# KiCad board Lime_RFE.kicad_pcb (continued)
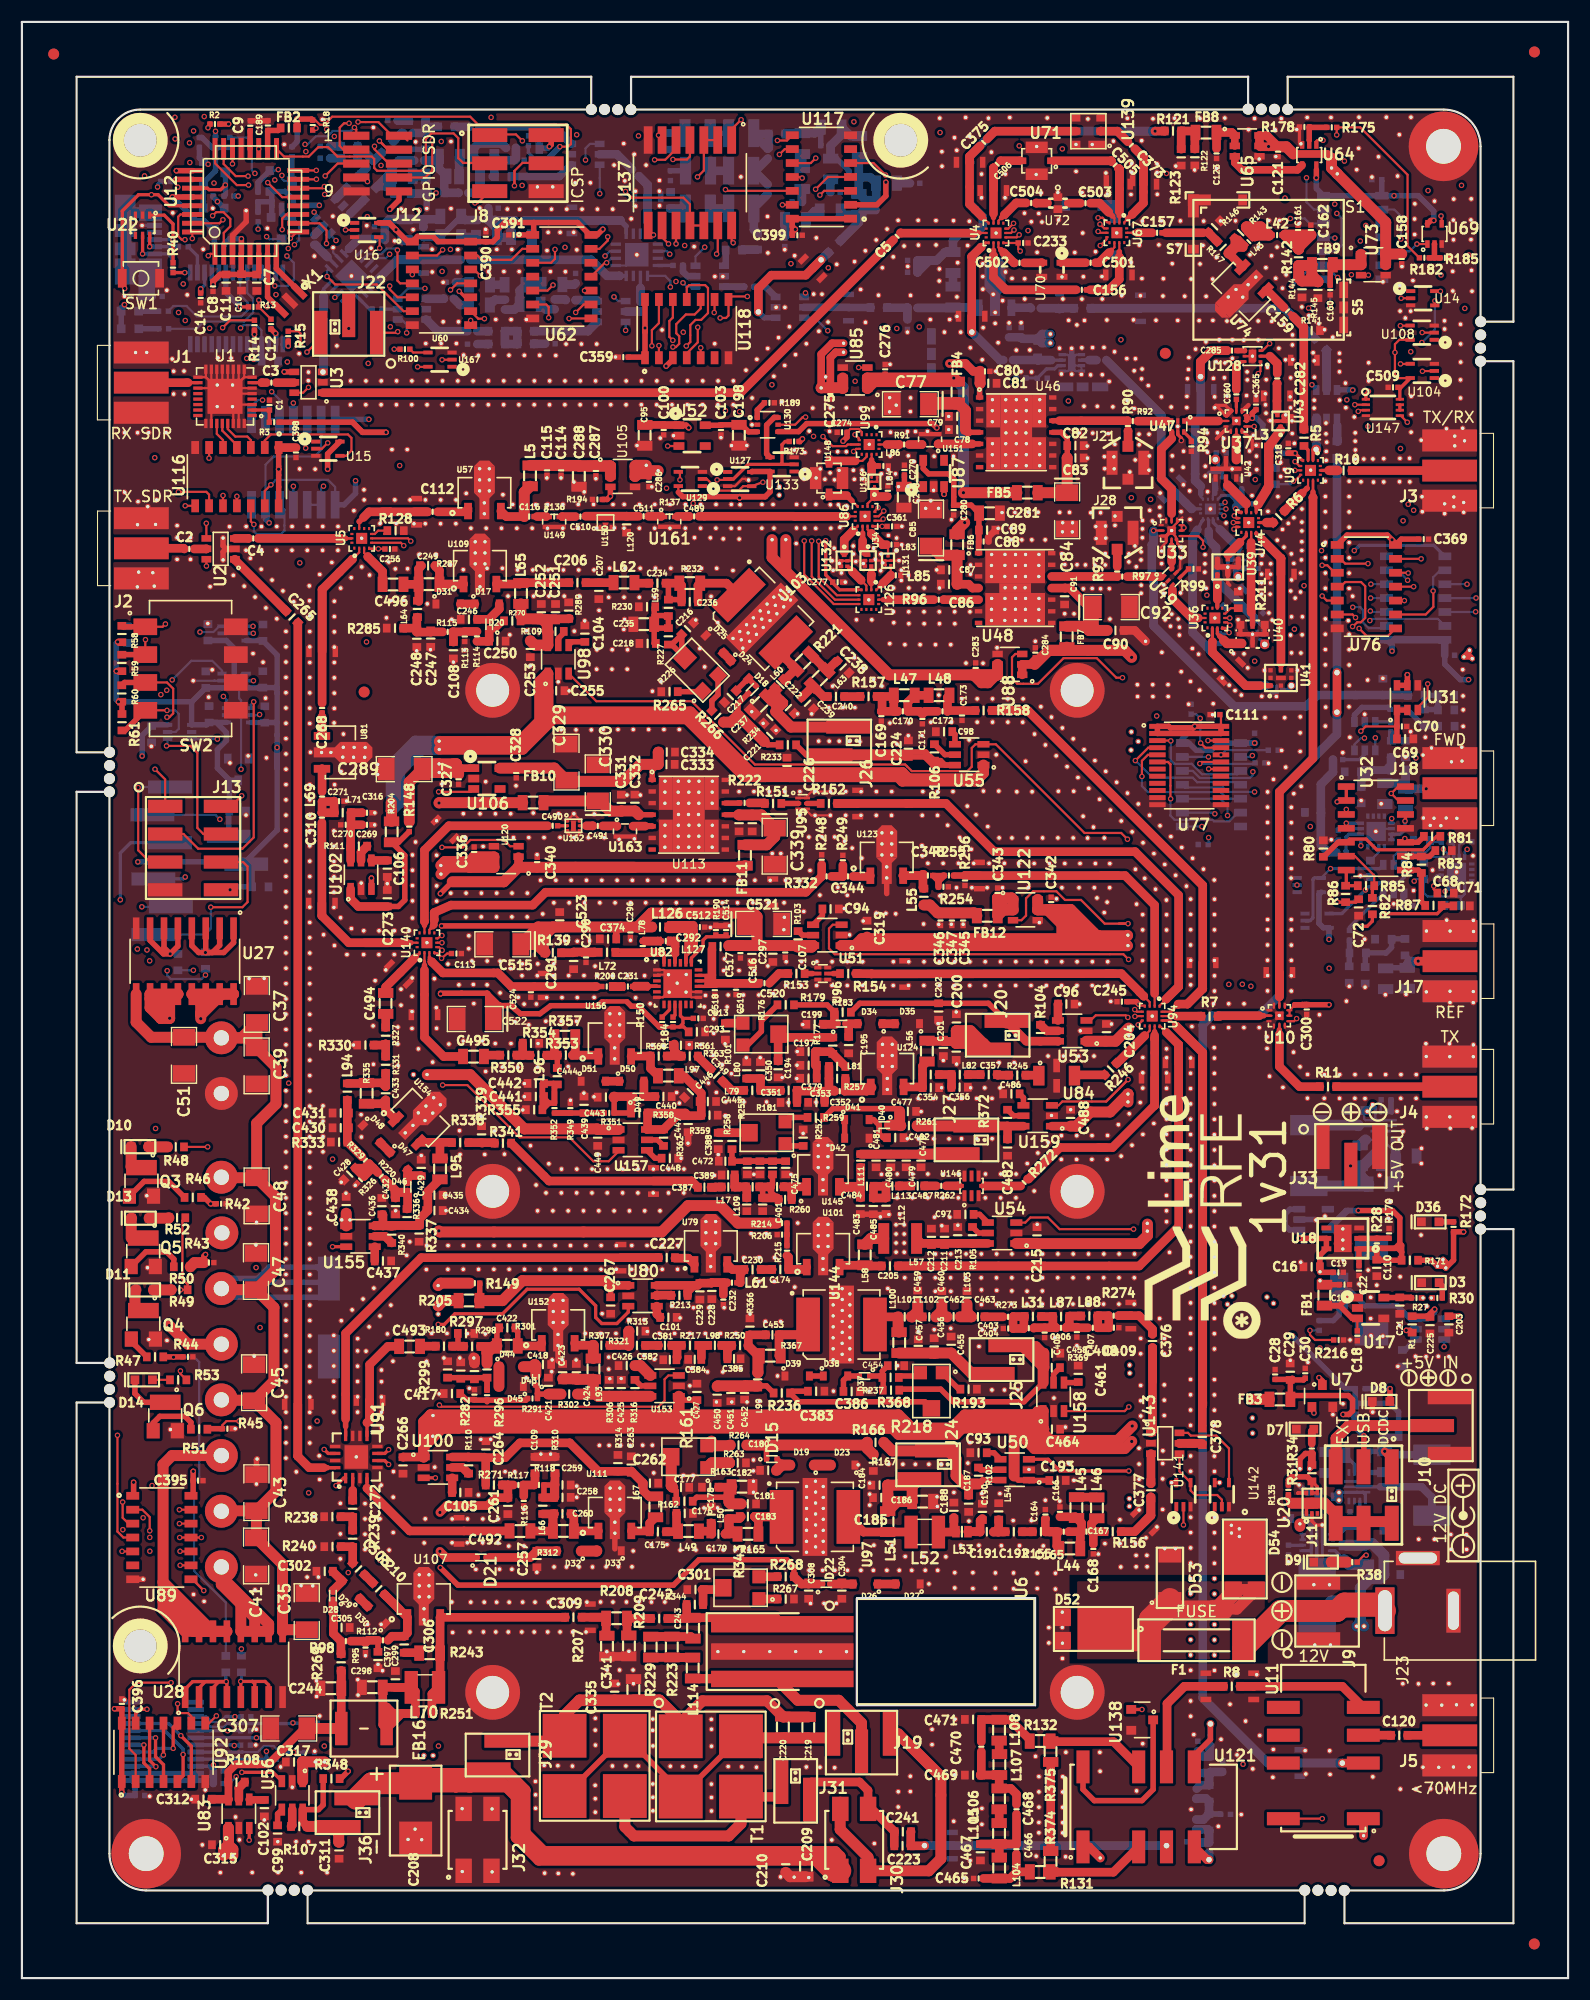
[diagram p0: board, top side]
## Nets (continued)
Net-(R1-Pad1): R1.1 U110.5
Net-(R4-Pad2): R4.2 U12.26
Net-(R5-Pad1): R5.1 U9.3
Net-(R6-Pad1): R6.1 U9.9
Net-(R7-Pad1): R7.1 U10.2
Net-(R9-Pad1): R9.1 U9.7
Net-(R10-Pad2): R10.2 U9.13
Net-(R11-Pad2): R11.2 U10.5
Net-(R12-Pad1): R12.1 R133.2 U90.5
Net-(R14-Pad2): R14.2 U12.31
Net-(R15-Pad2): R15.2 U12.30
Net-(R16-Pad1): R16.1 U13.23
Net-(R17-Pad1): R17.1 U13.22
Net-(R25-Pad1): R25.1 R26.2 U19.5
Net-(R29-Pad1): R29.1 U19.7
Net-(R32-Pad1): R32.1 R33.2 U21.5
Net-(R36-Pad1): R36.1 U21.7
Net-(R54-Pad1): R54.1 U27.1 U27.2 U27.3 U27.4
Net-(R55-Pad1): R55.1 U27.5 U27.6 U27.7
Net-(R56-Pad1): R56.1 U28.1 U28.2 U28.3 U28.4
Net-(R57-Pad1): R57.1 U28.5 U28.6 U28.7
Net-(R80-Pad2): R80.2 R81.1 U32.5
Net-(R81-Pad2): R81.2 U32.10 U32.13 U32.14
Net-(R82-Pad1): R82.1 R85.2 U32.6
Net-(R82-Pad2): R82.2 U32.1 U32.2
Net-(R83-Pad2): R83.2 R84.1 U32.9
Net-(R84-Pad2): R84.2 R87.2 U32.8
Net-(R85-Pad1): R85.1 R86.2 U32.7
Net-(R88-Pad2): R88.2 R89.2 U45.6
Net-(R90-Pad2): R90.2 R92.1 U46.12
Net-(R91-Pad1): R91.1 U151.2
Net-(R92-Pad2): R92.2 U47.3
Net-(R93-Pad2): R93.2 R97.1 U48.12
Net-(R94-Pad1): R94.1 U47.6
Net-(R96-Pad1): R96.1 U48.5
Net-(R97-Pad2): R97.2 U49.1
Net-(R99-Pad1): R99.1 U49.4
Net-(R100-Pad2): R100.2 U167.4
Net-(R101-Pad2): R101.2 R176.1
Net-(R102-Pad2): R102.2 U50.5
Net-(R103-Pad2): R103.2 U51.5
Net-(R104-Pad2): R104.2 U53.5
Net-(R105-Pad2): R105.2 U54.5
Net-(R106-Pad2): R106.2 U55.5
Net-(R107-Pad2): R107.2 U56.5
Net-(R108-Pad2): R108.2 U83.5
Net-(R109-Pad2): R109.2 U98.5
Net-(R110-Pad2): R110.2 U100.5
Net-(R111-Pad2): R111.2 U102.5
Net-(R128-Pad2): R128.2 U5.7
Net-(R130-Pad1): R130.1 U63.3
Net-(R130-Pad2): R130.2 U61.3
Net-(R134-Pad1): R134.1 U90.7
Net-(R135-Pad1): R31.2 R135.1 U20.4 U20.5
Net-(R140-Pad1): R140.1 R168.2 U77.22 U78.22
Net-(R150-Pad1): R150.1 U82.8
Net-(R151-Pad1): R151.1 U95.2
Net-(R152-Pad2): R152.2 U95.5
Net-(R153-Pad1): R153.1 U96.2
Net-(R154-Pad2): R154.2 U96.5
Net-(R161-Pad1): R161.1 R263.2
Net-(R161-Pad3): R161.3 R264.1
Net-(R170-Pad2): R28.1 R170.2 U18.2
Net-(R175-Pad2): R175.2 R178.1 U64.2
Net-(R176-Pad3): R176.3 R179.2
Net-(R180-Pad1): R180.1 R297.2 R298.2
Net-(R182-Pad2): R182.2 R185.1 U69.2
Net-(R184-Pad1): R184.1 U82.9
Net-(R189-Pad1): R189.1 U130.1
Net-(R193-Pad1): R193.1 R218.1
Net-(R206-Pad1): R206.1 R214.1 R215.2
Net-(R211-Pad2): R211.2 U36.7
Net-(R213-Pad2): R213.2 U80.5
Net-(R218-Pad3): R218.3 R237.1
Net-(R222-Pad1): R222.1 U113.12
Net-(R226-Pad1): R226.1 R265.2
Net-(R226-Pad3): R226.3 R266.1
Net-(R245-Pad1): R245.1 U84.1
Net-(R246-Pad2): R246.2 U84.3
Net-(R252-Pad2): R252.2 R253.1
Net-(R253-Pad3): R253.3 R259.2
Net-(R262-Pad1): R262.1 U146.8
Net-(R267-Pad2): R267.2 R343.1
Net-(R268-Pad1): R268.1 R343.3
Net-(R272-Pad2): R272.2 U146.4
Net-(R307-Pad1): R307.1 R313.2 R321.2
Net-(R316-Pad2): R316.2 U153.5
Net-(R327-Pad1): R327.1 R330.2 R331.2
Net-(R338-Pad1): R338.1 R339.2 R341.2
Net-(R340-Pad2): R340.2 U155.5
Net-(R350-Pad1): R350.1 R353.2 R354.2
Net-(R360-Pad1): R360.1 R361.2 R363.2
Net-(R362-Pad2): R362.2 U157.5
Net-(R369-Pad2): R369.2 U158.5
Net-(R372-Pad2): R372.2 U159.5
Net-(R374-Pad1): R374.1 R375.2
Net-(U1-Pad1): U1.1
Net-(U1-Pad4): U1.4
Net-(U1-Pad20): U1.20
Net-(U1-Pad21): U1.21
Net-(U1-Pad22): U1.22
Net-(U1-Pad23): U1.23
Net-(U1-Pad24): U1.24
Net-(U4-Pad8): U4.8
Net-(U4-Pad12): U4.12
Net-(U4-Pad14): U4.14
Net-(U5-Pad1): U5.1
Net-(U5-Pad8): U5.8
Net-(U5-Pad9): U5.9
Net-(U5-Pad11): U5.11
Net-(U5-Pad12): U5.12
Net-(U5-Pad14): U5.14
Net-(U9-Pad1): U9.1
Net-(U9-Pad8): U9.8
Net-(U9-Pad11): U9.11
Net-(U9-Pad12): U9.12
Net-(U9-Pad14): U9.14
Net-(U11-Pad8): U11.8
Net-(U11-Pad9): U11.9
Net-(U11-Pad10): U11.10
Net-(U11-Pad12): U7.1 U11.12
Net-(U12-Pad7): U12.7 X1.3
Net-(U12-Pad8): U12.8 X1.1
Net-(U12-Pad12): U12.12
Net-(U13-Pad3): U13.3
Net-(U13-Pad6): U13.6
Net-(U13-Pad8): U13.8
Net-(U13-Pad9): U13.9
Net-(U13-Pad10): U13.10
Net-(U13-Pad11): U13.11
Net-(U13-Pad12): U13.12
Net-(U13-Pad13): U13.13
Net-(U13-Pad14): U13.14
Net-(U13-Pad19): U13.19
Net-(U13-Pad24): U13.24
Net-(U13-Pad27): U13.27
Net-(U13-Pad28): U13.28
Net-(U14-Pad1): U14.1
Net-(U15-Pad1): U15.1
Net-(U16-Pad1): U16.1
Net-(U18-Pad4): U18.4
Net-(U20-Pad3): U20.3
Net-(U22-Pad3): U22.3
Net-(U22-Pad4): U22.4
Net-(U34-Pad1): U34.1 U86.2
Net-(U35-Pad2): U35.2
Net-(U35-Pad8): U35.8
Net-(U35-Pad12): U35.12
Net-(U35-Pad14): U35.14
Net-(U36-Pad1): U36.1
Net-(U36-Pad3): U36.3 U40.1
Net-(U36-Pad8): U36.8
Net-(U36-Pad9): U36.9 U39.1
Net-(U36-Pad10): U36.10
Net-(U36-Pad11): U36.11
Net-(U36-Pad12): U36.12
Net-(U36-Pad14): U36.14
Net-(U37-Pad5): U37.5 U42.1
Net-(U39-Pad6): U39.6 U44.9
Net-(U40-Pad6): U40.6 U44.10
Net-(U44-Pad2): U44.2
Net-(U44-Pad8): U44.8
Net-(U44-Pad12): U44.12
Net-(U44-Pad14): U44.14
Net-(U46-Pad7): U46.7
Net-(U48-Pad7): U48.7
Net-(U52-Pad4): U52.4
Net-(U60-Pad13): U60.13 U62.2
Net-(U62-Pad4): U62.4
Net-(U62-Pad12): U62.12
Net-(U67-Pad8): U67.8
Net-(U67-Pad11): U67.11
Net-(U67-Pad12): U67.12
Net-(U67-Pad14): U67.14
Net-(U68-Pad3): U68.3
Net-(U68-Pad4): U68.4
Net-(U68-Pad6): U68.6
Net-(U77-Pad7): U77.7
Net-(U77-Pad8): U77.8
Net-(U77-Pad9): U77.9
Net-(U77-Pad10): U77.10
Net-(U77-Pad14): U77.14
Net-(U77-Pad15): U77.15
Net-(U77-Pad16): U77.16
Net-(U77-Pad17): U77.17
Net-(U78-Pad10): U78.10
Net-(U78-Pad14): U78.14
Net-(U82-Pad3): U82.3
Net-(U82-Pad5): U82.5
Net-(U82-Pad7): U82.7
Net-(U82-Pad11): U82.11
Net-(U82-Pad12): U82.12
Net-(U82-Pad18): U82.18
Net-(U82-Pad21): U82.21
Net-(U82-Pad23): U82.23
Net-(U86-Pad8): U86.8
Net-(U86-Pad10): U86.10
Net-(U86-Pad12): U86.12
Net-(U86-Pad14): U86.14
Net-(U87-Pad4): U87.4
Net-(U89-Pad6): U89.6
Net-(U94-Pad8): U94.8
Net-(U99-Pad1): U99.1
Net-(U99-Pad2): U99.2
Net-(U99-Pad3): U99.3
Net-(U99-Pad8): U99.8
Net-(U99-Pad11): U99.11
Net-(U99-Pad12): U99.12
Net-(U99-Pad14): U99.14
Net-(U104-Pad1): U104.1
Net-(U106-Pad4): U106.4
Net-(U108-Pad1): U108.1
Net-(U113-Pad5): U113.5 U163.2
Net-(U113-Pad7): U113.7
Net-(U114-Pad1): U114.1
Net-(U117-Pad6): U117.6
Net-(U118-Pad6): U118.6
Net-(U121-Pad12): U121.12 U138.1
Net-(U125-Pad1): U125.1
Net-(U126-Pad2): U34.4 U126.2
Net-(U126-Pad3): U126.3 U132.4
Net-(U126-Pad8): U126.8
Net-(U126-Pad9): U126.9
Net-(U126-Pad10): U126.10
Net-(U126-Pad11): U126.11
Net-(U126-Pad12): U126.12
Net-(U126-Pad14): U126.14
Net-(U127-Pad1): U127.1
Net-(U129-Pad1): U129.1
Net-(U130-Pad6): U130.6 U133.4
Net-(U132-Pad1): U86.1 U132.1
Net-(U133-Pad1): U133.1
Net-(U140-Pad8): U140.8
Net-(U140-Pad11): U140.11
Net-(U140-Pad12): U140.12
Net-(U140-Pad14): U140.14
Net-(U141-Pad1): U141.1
Net-(U142-Pad1): U142.1
Net-(U146-Pad2): U146.2
Net-(U146-Pad6): U146.6
Net-(U147-Pad6): U147.6 U147.7
Net-(U148-Pad1): U86.11 U148.1
Net-(U148-Pad2): U99.9 U148.2
Net-(U151-Pad1): U46.5 U151.1
Net-(U160-Pad4): U35.11 U160.4
Net-(U167-Pad1): U167.1

Pads without a net: P4 1 2; P4#2 1 2; P4#3 1 2; P4#4 1 2; P? 1 2; P?#2 1 2

## Via types
v1: diameter 0.5, hole 0.3, T to B, 612 vias

## Routing (per net, layer and track width the routed paths; a pad name or vN(x,y) marks a point on that pad's centre or on a via; arc(x,y) is an arc through that point)
+2.5V: length 613.5
  T w0.2: v1(107.02,114.23) 107.02,114.23 ; v1(107.02,114.23) 107.02,114.23 ; v1(107.02,114.23) 107.02,114.23 ; 107.02,114.23 U77.24 109.42,115.21 C111.2 ; 107.02,114.23 U77.1 ; v1(8.45,24.58) 8.45,24.57 C396.2 ; 125.3,148.56 125.3,149.1 125.7,149.5 U108.5 ; 125.3,148.56 125.3,146.34 125.64,146 126.69,146 ; 125.3,148.56 v1(125.3,148.35) ; 125.35,130.93 v1(125.03,131.25) ; v1(129.45,153.93) 129.43,153.94 U14.5
  T w0.3: v1(118.12,164.29) 118.12,165.44 U64.5 ; C509.2 125.74,145.01 125.59,145.16 C509.2 ; C509.2 125.86,145.16 126.69,146 125.74,145.05 U147.8
  T w0.5: v1(9.1,16.97) 9.11,16.98 U92.1 U92.14 9.12,23.27 C396.2 9.12,24.58 v1(8.45,24.58) ; v1(10.19,45.24) 10.19,44.1 U89.1 ; v1(15.64,46.24) 15.63,46.23 C395.2 15.63,44.21 U89.14 ; U76.1 120.93,131.68 124.6,131.68 125.35,130.93 U76.14 125.88,131.31 C369.2 ; v1(112.49,112.71) 112.49,112.7 ; v1(118.12,164.29) 118.13,164.29 118.13,165.01 ; U69.5 128.56,160.39 v1(128.84,160.39) ; 27.89,137.7 v1(27.9,137.7) 27.9,139.09 U15.5 ; v1(23.43,137.69) 23.43,137.69 ; v1(23.43,137.69) 23.43,137.69 ; v1(23.43,137.69) 23.43,137.69 ; 23.43,137.69 U116.1 ; 23.43,137.69 U116.14 ; 34.14,159.54 33.5,160.17 U16.5 33.51,160.17 v1(34.14,159.55) ; 34.14,159.54 v1(34.14,159.55) ; 34.14,159.54 35.21,158.46 U60.1 36.1,158.94 37.51,158.94 37.98,158.46 U60.14 42.33,158.46 C390.2 42.98,158.45 43.39,158.87 43.39,159.53 44.06,160.2 46.7,160.2 ; v1(53.01,159.59) 52.5,159.07 U62.14 51.83,159.07 50.7,160.2 46.7,160.2 ; U117.14 70.3,159.86 v1(70.58,159.58) 70.31,159.31 C399.2 70.3,159.05 U117.14 ; U117.14 U117.1 ; 56.86,150.19 U118.1 56.8,147.92 C359.2 ; 56.86,150.19 v1(56.86,150.58) ; 56.86,150.19 U118.14 ; v1(34.14,159.55) 34.13,159.54 v1(34.14,159.55) ; GND_VIA#31.1 128.63,65.51 R171.1 ; GND_VIA#31.1 129.69,65.47 GND_VIA#30.1 129.94,65.32 GND_VIA#32.1 ; GND_VIA#31.1 129.79,64.96 GND_VIA#32.1 ; GND_VIA#32.1 130.64,65.52 R172.1 131.55,68.11 v1(131.56,68.1) ; GND_VIA#1631.1 132.1,121.07 GND_VIA#1630.1 132.2,120.56 GND_VIA#1629.1 ; 46.65,159.07 U62.1 ; U62.1 46.7,159.16 46.7,160.2 ; U62.1 C391.2 ; 109.42,114.23 U77.24 U77.23 U77.2 U77.1 104.66,114.23 104.8,114.08 106.88,114.08 v1(107.02,114.23) 109.42,114.23
  T w0.79: U116.1 23.44,139.66 C398.2
  SIG1 w0.2: 128.84,154.54 v1(129.45,153.93)
  SIG1 w0.5: v1(129.45,153.93) 128.84,154.54 v1(128.84,160.39) ; v1(34.14,159.55) 32.35,159.55 31.03,158.23 31.03,154.7 30.7,154.36 30.7,140.11 28.28,137.7 v1(27.9,137.7) ; v1(112.5,120.18) 112.49,120.18 v1(112.49,112.71) ; v1(56.86,150.58) 56.86,150.08 56.31,149.53 53.83,149.53 53.14,150.22 53.14,153.87 54.1,154.83 54.1,157.22 52.63,158.69 52.63,159.25 52.97,159.59 v1(53.01,159.59)
  SIG2 w0.5: v1(10.19,45.24) 11.19,46.24 v1(15.64,46.24) ; v1(125.03,121.09) 124.46,120.52 118.45,120.52 118.11,120.18 113.27,120.18 ; v1(70.58,159.58) 70.57,159.59 61.84,159.59 60.79,160.65 56.87,160.65 55.82,159.59 v1(53.01,159.59) ; 113.27,120.18 112.75,120.18 112.75,120.18 103.33,120.18 102.06,121.45 100.42,121.45 99.63,120.66 77.21,120.66 76.51,121.36 75.53,121.36 74.59,120.43 46.36,120.43 44.87,121.92 31.46,121.92 v1(31.45,121.93) ; 113.27,120.18 112.5,120.18 v1(112.5,120.18)
  PWR w0.2: 10.19,35.53 13.82,31.91 13.82,28.87 11.86,26.92 9.73,26.92 8.45,25.64 v1(8.45,24.58)
  PWR w0.5: v1(8.45,24.58) 8.45,25.64 9.73,26.92 11.86,26.92 13.82,28.87 13.82,31.91 10.19,35.53 v1(10.19,45.24) 10.19,92.53 9.8,92.93 9.8,135.07 12.42,137.69 v1(23.43,137.69) 24.33,136.79 26.99,136.79 v1(27.9,137.7) 28.41,137.19 28.41,134.18 29.71,132.88 29.71,129.12 31.45,127.38 v1(31.45,121.93) ; v1(132.02,118.49) 132.14,118.36 132.14,105.03 131.18,104.06 131.18,102.18 131.97,101.4 131.97,100.05 131.56,99.64 v1(131.56,68.1) ; v1(125.21,162.65) 125.03,162.47 125.03,148.62 v1(125.3,148.35) 125.03,148.09 v1(125.03,131.25) v1(125.03,121.09)
  B w0.5: U68.1 124.09,162.66 C392.2 ; U68.1 123.54,162.65 ; U68.1 123.53,162.65 U68.1 ; U68.1 127.43,162.65 128.84,161.24 v1(128.84,160.39) ; U68.1 125.21,162.65 v1(125.21,162.65) ; U68.1 U68.14 118.12,163.31 v1(118.12,164.29) ; v1(9.1,16.97) 9.4,16.66 C163.2 10.32,17.78 U78.1 ; U78.1 U78.24 U78.23 U78.2 U78.1 ; U75.1 109.21,112.7 108.56,112.05 107.15,112.05 106.5,112.7 U75.14 105.89,113.1 v1(107.02,114.23) ; U75.1 112.57,112.7 ; U75.1 112.49,112.7 v1(112.49,112.71) ; U119.1 125.03,121.62 v1(125.03,121.09) ; v1(56.86,150.58) 56.86,150.58 ; v1(132.02,118.49) 131.25,118.49 129.84,119.91 C362.2
  B w0.7: U119.1 U119.14 129.84,122.11 C362.2
+3V: length 607.3
  T w0.2: 116.92,138.54 116.79,138.54 ; v1(78.51,132.48) 77.64,132.48 U86.4 78.49,132.5 v1(78.51,132.48) ; v1(78.51,132.48) C361.1 ; v1(78.51,132.48) 78.51,132.48 ; v1(101.93,88.87) 102.06,88.74 102.47,88.74 ; C256.1 33.11,130.43 31.68,130.43 32.52,130.43 v1(32.52,130.43) ; 116.15,88.79 115.68,88.32 115.68,87.82 ; 59.9,135.59 U129.5 ; C274.1 75.6,141.37 76.36,141.37 76.64,141.09 76.64,140.9 ; v1(98.2,160.64) 98.62,160.64 99.04,160.22 99.25,160.22 ; v1(91.1,157.6) 90.92,157.78 C233.1 89.58,158.34 U4.4 ; v1(64.91,158.35) 64.77,158.49 U137.14 ; v1(71.51,142.45) 71.25,142.45 70.56,141.75 U130.5 ; v1(106.04,132.35) 105.88,132.19 U33.8 U33.8 ; 37.67,93.5 37.64,93.53 37.89,93.53 v1(38.3,93.06) 38.81,93.5 C113.1 ; U37.8 U37.8 ; 105.85,132.09 105.85,132.59 ; U10.8 U10.8 ; U37.9 U37.9 ; 75.44,140.9 75.44,140.9 ; U10.9 U10.9 ; 75.29,126.69 75.3,126.68 U126.4 76.3,126.68 ; U33.9 U33.9
  T w0.3: 109.54,123.16 109.79,123.16 v1(110.16,122.79) ; 116.79,138.54 v1(116.18,139.15) ; 111.28,133.78 111.07,133.78 v1(110.76,134.09) ; 78.51,132.48 v1(78.51,132.48) ; 78.51,132.48 v1(78.51,132.48) ; 78.51,132.48 v1(78.51,132.48) ; v1(73.35,131.17) 73.35,128.05 74,127.39 C277.1 73.99,127.31 74.61,126.68 76.3,126.68
  T w0.4: v1(112.27,142.35) 111.75,142.35 ; 111.75,142.35 111.75,142.6 ; 111.75,142.35 111.75,142.1
  T w0.5: v1(112.27,142.35) 112.27,142.8 C365.1 ; v1(101.93,88.87) 101.7,89.1 C245.1 ; 67.84,135.19 68.27,135.62 U133.5 66.64,137.48 U127.5 ; 67.84,135.19 65.49,135.19 ; 67.84,135.19 65.6,135.19 v1(65.49,135.08) ; 65.49,135.19 v1(65.49,135.08) ; 65.49,135.19 v1(65.49,135.08) ; 65.49,135.19 v1(65.49,135.08) ; 65.49,135.19 60.3,135.19 59.9,135.59 ; v1(74.93,140.25) 75.3,140.62 C274.1 ; 116.15,88.82 116.15,88.79 ; 116.15,88.82 116.98,88.82 ; 116.15,88.82 116.82,88.82 116.84,88.84 C300.1 117.23,88.82 116.98,88.82 ; 116.98,88.82 v1(119.28,88.82) ; v1(71.22,140.46) 70.99,140.22 R173.1 ; v1(116.18,139.15) 115.57,139.15 C318.1 116.18,139.15 v1(116.18,139.15)
  SIG1 w0.2: 109.5,62.09 GND_VIA#1356.1 ; v1(21.26,164.69) 21.55,164.4 21.55,163.04 22.14,162.46 22.14,160.88 21.55,160.3 v1(21.55,159.6) ; v1(91.1,157.6) 91.81,158.31
  SIG1 w0.5: v1(65.49,135.08) 65.49,135.09 v1(65.49,142.95) ; 112.16,130.69 112.83,131.36 112.83,133.44 112.19,134.09 v1(110.76,134.09) 110.76,134.96 111.23,135.43 111.23,139.97 111.54,140.28 111.54,141.97 111.92,142.35 v1(112.27,142.35) ; 112.16,130.69 112.16,123.6 111.34,122.79 v1(110.16,122.79) ; 112.16,130.69 110.06,130.69 108.4,132.35 v1(106.04,132.35) ; 91.81,158.31 v1(91.1,157.6) ; 91.81,158.31 v1(91.1,157.6) ; 91.81,158.31 v1(91.81,159.47) ; v1(91.1,157.6) 91.1,157.1 92.81,155.39 92.81,146.07 94.96,143.92 v1(95.49,143.92) ; v1(31.6,147.35) 32.09,146.86 32.09,142.73 31.66,142.3 v1(31.66,142.24) ; v1(70.18,156.45) 70.84,155.79 70.84,149 71.44,148.39 71.44,142.52 v1(71.51,142.45) ; v1(21.55,159.6) 21.55,154.34 23.87,152.02 23.87,149.88 23.46,149.46 23.46,148.11 24.09,147.48 v1(24.22,147.48) ; v1(74.93,140.25) 75.6,140.25 75.81,140.04 76.21,140.04 76.6,139.66 76.6,139 76.07,138.47 75.62,138.47 75.23,138.08 75.23,136.82 73.11,134.71 73.11,131.57 73.35,131.34 v1(73.35,131.17)
  SIG2 w0.2: GND_VIA#1358.1 110.81,60.7 123.71,60.7 124.32,61.3 GND_VIA#38.1 ; 75.68,132.48 74.38,131.17 v1(73.35,131.17) ; 87.95,141.48 94.05,141.48 95.1,142.54 95.56,142.54 ; 95.56,142.54 96.86,142.54 ; 95.56,142.54 95.04,142.54 93.01,140.5 88.23,140.5 ; 96.86,142.54 96.56,142.54 95.08,141.06 ; 96.86,142.54 96.87,142.54 88.02,142.54 85.7,140.22 79.12,140.22 78.64,140.71 76.58,140.71 76.13,140.25 v1(74.93,140.25) ; 95.08,141.06 93.53,139.5 87.29,139.5 ; 95.08,141.06 95.08,139.99 93.6,138.51 87.57,138.51 ; GND_VIA#40.1 124.17,62.07 123.59,62.64 110.05,62.64 GND_VIA#1356.1 GND_VIA#1357.1
  SIG2 w0.3: 111.39,143.23 v1(112.27,142.35)
  SIG2 w0.5: 99.3,91.77 100.36,91.77 101.93,90.2 v1(101.93,88.87) ; 99.3,91.77 69.14,91.77 69.14,91.74 68.24,90.84 62.54,90.84 62.54,91.74 61.61,92.67 58.42,92.67 57.92,92.17 57.92,91.15 57.26,90.49 44.36,90.49 43.19,91.66 43.19,91.73 38.39,91.73 37.86,92.27 37.86,92.55 v1(38.3,93.06) ; 99.3,91.77 101.48,91.77 101.82,92.1 106.18,92.1 106.24,92.15 v1(119.29,92.15) ; 96.92,142.49 109.73,142.49 110.47,143.23 111.39,143.23 v1(112.27,142.35) ; 96.92,142.49 94.4,145.01 86.86,145.01 86.17,144.32 84.75,144.32 82.67,142.24 74.93,142.24 ; 96.92,142.49 95.49,143.92 v1(95.49,143.92) ; 74.93,142.24 70.69,142.24 ; 74.93,142.24 v1(74.93,140.25) ; v1(73.35,131.17) 74.38,131.17 75.68,132.48 v1(78.51,132.48) ; v1(64.91,158.35) 66.81,156.45 v1(70.18,156.45) ; 70.69,142.24 70.73,142.2 70.73,140.96 v1(71.22,140.46) ; 70.69,142.24 68.76,142.24 68.07,142.93 66.47,142.93 65.78,142.24 64.32,142.24 ; v1(31.6,147.35) 31.47,147.48 v1(24.22,147.48) ; 64.32,142.24 65.49,142.24 v1(65.49,142.95) ; 64.32,142.24 v1(31.66,142.24)
  PWR w0.5: v1(31.66,142.24) 31.89,142.01 31.89,132.23 32.52,131.6 v1(32.52,130.43) 32.52,112.89 33.78,111.64 33.78,108.65 37.09,105.34 37.09,103.39 36.74,103.04 36.74,96.64 36.23,96.13 36.23,93.82 37,93.06 v1(38.3,93.06) ; 113.62,62.14 113.62,81.06 119.28,86.72 119.28,89.84 ; 119.28,89.84 v1(119.28,94.78) ; 119.28,89.84 119.28,88.83 v1(119.28,88.82) 119.29,88.84 v1(119.29,92.15) ; v1(91.81,159.47) 95.28,159.47 96.45,160.64 v1(98.2,160.64)
  B w0.2: 109.16,134.97 109.16,135 109.46,135.29 ; 110.28,135.29 110.8,134.77 ; 118.37,98.89 118.37,96.25 118.77,95.84 U125.5 119.29,94.79 v1(119.28,94.78) ; v1(110.16,122.79) 110.06,122.68 C368.1 ; v1(21.55,159.6) 21.55,159.6 R191.1 ; v1(21.26,164.69) 20.99,164.96 20.99,167.55 20.57,167.96 R23.1 ; v1(64.91,158.35) 64.91,158.36
  B w0.3: 109.46,135.29 110.28,135.29 110.8,134.77 110.8,134.1 ; 118.77,95.84 118.37,96.25 118.37,98.89 U114.5
  B w0.5: 111.33,135.89 111.33,135.3 110.8,134.77 ; 115.58,139.18 115.6,139.16 116.22,139.16 114.92,139.16 113.25,140.83 113.25,141.75 112.64,142.36 112.31,142.36 ; v1(31.66,142.24) 31.66,142.24 U115.14 ; U114.5 118.37,98.89 118.37,96.25 118.77,95.84 U125.5 119.28,95.84 v1(119.28,94.78)
  B w0.79: 110.8,134.26 111.09,134.55 C364.1
+5V: length 1378.5
  T w0.2: 104.91,45.21 GND_VIA#1355.1 U141.5 ; 109.28,45.21 GND_VIA#2053.1 U142.5
  T w0.5: 117.72,47.86 R31.1 117.71,46.84 R34.2 ; C286.1 57.18,137.03 U105.5 ; 98,95.2 98,95.54 95.8,97.74 C342.1 ; 39.75,110.42 39.76,110.41 U106.1 ; 39.75,110.42 38.45,110.42 GND_VIA#1048.1 ; 39.75,110.42 38.49,110.42 GND_VIA#1049.1 ; GND_VIA#1049.1 38.08,110.79 GND_VIA#1048.1 ; GND_VIA#1049.1 38.26,110.01 ; GND_VIA#1048.1 39.05,110.8 ; v1(126.43,118.94) 126.43,118.93 U31.5 U31.6 ; C278.1 80.53,136.14 C279.1 ; C278.1 80.49,136.1 U87.1 ; C278.1 80.82,136.1 GND_VIA#1394.1 80.83,136.1 GND_VIA#1395.1 ; v1(113.76,167.14) 113.76,167.12 ; v1(113.76,167.14) 113.76,167.12 ; v1(113.76,167.14) 113.76,167.12 ; 30.16,141.98 31.09,141.06 ; 30.16,141.98 31.09,141.06 ; 30.16,141.98 R3.1 ; 31.09,141.06 v1(33.23,141.06) 31.09,141.06 ; v1(131.15,60.4) 131.15,60.4 C203.2 ; C15.1 120.23,63.27 FB1.1 ; 117.71,46.67 GND_VIA#35.1 117.71,46.67 ; 117.71,46.67 R34.2 ; GND_VIA#36.1 116.63,47.37 117.13,47.87 R34.2 ; 60.62,141.71 v1(60.85,141.48) 60.62,141.71 ; 60.62,141.71 U52.1 ; v1(116.56,67.52) 116.58,67.5 U18.5 U18.6 118.45,65.96 C16.1 118.45,64.47 GND_VIA#44.1 118.51,64.4 C19.1 ; 38.42,100.74 39.56,101.89 39.21,101.53 GND_VIA#1040.1 38.24,101.52 GND_VIA#1039.1 38.42,100.74
  T w0.7: R31.1 117.72,47.86 R34.2 ; 39.66,110.8 40.05,110.41 U106.1 ; 74.84,145 U85.6 74.84,145 ; 74.84,145 73.77,145 73.77,147.88 74.26,148.37 GND_VIA#1257.1 ; 72.94,145.12 72.94,148.18 73.94,149.19 GND_VIA#1256.1 ; U52.1 59.94,141.72 C100.1 58.55,141.74 C95.1 ; 119.51,166.09 119.13,166.46 116.03,166.46
  T w0.79: 98.41,10.95 97.39,11.97 U121.1 ; U11.1 122.43,14.52 GND_VIA#1255.1 ; 113.01,167.12 U65.5 U65.6 113.6,168.15 C121.1 113.01,167.12 ; 87.53,118.11 86.72,118.91 86.74,118.93 89.03,118.93 U88.6 88.21,118.11 87.53,118.11
  T w1: 97.33,94.85 76.66,94.85 76.03,94.22 ; 95.73,94.85 95.73,96.36 94.6,97.48 U122.5 ; 95.73,94.85 96.56,94.85 96.56,95.04 ; 95.73,94.85 94.9,94.85 94.9,96.17 93.59,97.48 93.57,97.48 ; 93.57,97.48 95.64,97.48 ; 93.57,97.48 U122.5 ; 95.64,97.48 96.56,96.56 96.56,95.04 ; 95.64,97.48 95.71,97.48 98.16,95.04 98.24,95.04 98.31,95.11 ; 96.56,95.04 98.31,95.04 98.31,95.11 ; 76.03,94.22 100.75,94.22 ; 76.03,94.22 U51.1 76.36,94.22 C319.2 ; 98.31,95.11 100.85,95.11 100.9,95.15 ; 100.88,94.21 100.86,94.22 98.32,94.22 ; C158.1 124.48,157.33 U73.6 ; U88.6 89.01,118.91 86.72,118.91 ; U88.6 87.22,118.93 C283.1 ; U88.6 U88.5 ; 116.03,166.46 115.38,167.12 C121.1 ; 40.85,101.89 C336.1 43.07,102.31 43.07,101.36 40.85,101.36 40.85,101.89 ; 40.85,101.89 38.58,101.89 GND_VIA#1040.1 ; 39.85,110.32 39.75,110.42 ; 39.85,110.32 39.37,110.8 39.66,110.8 ; 39.85,110.32 C327.1 ; 39.66,110.8 39.66,110.52 39.15,110.01 GND_VIA#1049.1 ; 39.66,110.8 GND_VIA#1048.1 ; U120.6 38.89,101.39 GND_VIA#1039.1 ; C289.1 36.84,110.01 GND_VIA#1049.1 ; C289.1 37.01,110.8 GND_VIA#1048.1 ; C289.1 35.35,109.14 R148.1 ; GND_VIA#1232.1 38.2,63.41 R149.1 ; 69.71,128.38 79.16,118.93 86.74,118.93 ; 69.71,128.38 GND_VIA#642.1 ; 69.71,128.38 68.46,129.63 GND_VIA#641.1 ; GND_VIA#1350.1 72.94,145.12 73.59,145.12 73.6,145.13 74.85,145.13 U85.6 U85.5 ; v1(38.05,68.19) 38.14,68.09 58.39,68.09 60.79,70.49 63.75,70.49 65.34,68.89 R214.2 ; GND_VIA#1049.1 36.93,110.01 36.49,110.45 36.84,110.8 GND_VIA#1048.1 ; U73.6 124.45,160.23 GND_VIA#535.1 120.03,164.66 GND_VIA#534.1 119.51,166.09 ; U73.6 U73.5 ; U122.5 U122.6 ; GND_VIA#1348.1 56.48,137.56 U105.5 U105.6 56.02,138.05 GND_VIA#1347.1
  SIG1 w0.2: GND_VIA#643.1 93.85,150.02
  SIG1 w0.5: 93.85,150.02 93.85,165.83 v1(94.94,166.93) ; 118.46,57.51 v1(118.45,57.51)
  SIG1 w1: v1(38.05,68.19) 38,68.14 38,63.19 ; GND_VIA#1254.1 100.28,12.85 100.28,30.63 97.35,33.56 97.35,52.35 100.2,55.2 GND_VIA#1345.1
  SIG2 w0.5: 70.8,136.1 69.48,136.1 ; 70.8,136.1 70.74,136.1 ; 70.8,136.1 GND_VIA#1395.1 80.03,136.13 GND_VIA#1394.1 80.3,135.57 69.35,135.57 GND_VIA#1397.1 ; GND_VIA#1397.1 69.11,135.33 69.88,136.1 70.74,136.1 ; GND_VIA#1397.1 69.11,136.09 GND_VIA#1396.1 70.74,136.1 ; v1(113.76,167.14) 113.55,166.93 98.37,166.93 97.98,166.54 95.33,166.54 v1(94.94,166.93) ; GND_VIA#641.1 68.46,129.59 75.35,122.69 103.32,122.69 104.07,121.95 111.95,121.95 113,120.89 114.02,120.89 115.02,121.89 125.69,121.89 126.43,121.16 v1(126.43,118.94) ; GND_VIA#36.1 115.36,45.21 GND_VIA#2053.1 GND_VIA#1355.1 ; GND_VIA#1256.1 85.13,149.19 85.35,149.42 87.95,149.42 88.41,149.88 92.16,149.88 92.31,150.03 GND_VIA#644.1 ; GND_VIA#643.1 93.43,149.62 90.42,149.62 89.4,148.6 87.45,148.6 86.97,148.12 85.84,148.12 85.6,148.37 GND_VIA#1257.1
  SIG2 w1: 116.63,52.79 115.28,54.14 ; 116.63,52.79 116.63,50.98 117.52,50.09 GND_VIA#35.1 ; 116.63,52.79 GND_VIA#36.1 ; 116.63,52.79 116.63,53.69 113.92,56.4 105.92,56.4 105.09,55.58 ; 115.28,54.14 113.67,55.75 101.11,55.75 101.1,55.75 ; 115.28,54.14 113.84,55.58 105.09,55.58 ; 105.09,55.58 101.47,55.58 GND_VIA#1345.1
  PWR w0.3: 71.86,102.61 70,100.74 44.07,100.74 ; 42.22,101.93 69.83,101.91
  PWR w0.5: 60.85,138.86 60.16,138.18 ; 60.85,138.86 60.16,138.18 ; 60.85,138.86 v1(60.85,141.48) 60.85,138.56 61.23,138.18 ; 60.16,138.18 55.07,138.18 52.19,141.06 v1(33.23,141.06) ; v1(118.45,57.51) 118.45,56.33 117.67,55.54 117.67,53.12 118.72,52.06 118.72,47.7 117.52,46.5 GND_VIA#35.1 GND_VIA#36.1 ; v1(118.45,57.51) 118.46,57.51 GND_VIA#45.1 GND_VIA#44.1 ; v1(118.45,57.51) 126.45,57.51 129.35,60.4 v1(131.15,60.4) ; GND_VIA#1396.1 69.12,141.4 72.83,145.11 GND_VIA#1350.1 ; 69.83,101.91 70.63,102.71 71.18,102.71
  PWR w0.79: GND_VIA#1254.1 99.8,9.56 119,9.56 GND_VIA#1255.1
  PWR w1: 77.38,67.46 77.38,60.62 82.05,55.94 GND_VIA#1346.1 ; 77.38,67.46 76.32,68.51 ; 77.38,67.46 77.38,68.43 ; 76.32,68.51 76.32,70.52 ; 76.32,68.51 76.32,68.23 ; GND_VIA#105.1 79.55,94.22 78.61,93.27 78.61,87.88 77.38,86.65 77.38,68.43 ; 76.34,87.11 77.68,88.45 77.68,93.69 79.16,95.17 80.62,95.17 ; 76.34,87.11 76.34,73.78 73.48,70.91 72.66,70.91 ; 76.34,87.11 76.32,87.09 76.32,72.48 ; 76.32,72.48 74.36,70.52 73.05,70.52 ; 76.32,72.48 76.32,70.52 ; 80.62,95.17 81.15,95.7 81.15,97.4 ; 80.62,95.17 GND_VIA#106.1 ; 80.62,95.17 80.62,99.28 ; GND_VIA#641.1 68.46,129.57 69.49,128.53 ; GND_VIA#641.1 68.6,131.41 ; GND_VIA#641.1 67.01,131.26 66.58,131.69 66.58,135.27 66.93,135.62 68.65,135.62 ; 69.49,128.53 69.71,128.75 69.71,129.49 ; 69.49,128.53 73.92,124.1 73.92,119.32 78.11,115.14 78.11,110.18 ; GND_VIA#1349.1 72.84,146.12 68.6,141.88 68.6,138.18 ; 68.6,138.18 68.6,137.58 67.86,137.58 ; 68.6,138.18 61.23,138.18 ; GND_VIA#1348.1 58.08,137.58 67.86,137.58 ; 50.79,101.35 45.21,101.35 44.61,100.74 GND_VIA#1039.1 ; 50.79,101.35 69.81,101.35 71.08,102.61 ; 50.79,101.35 38.42,101.35 GND_VIA#1040.1 ; 71.08,102.61 72.97,102.61 75.02,100.56 75.14,100.56 ; 71.08,102.61 71.18,102.71 ; 75.14,100.56 76.42,99.28 78.76,99.28 ; 75.14,100.56 76.77,100.56 78.05,99.28 78.76,99.28 ; 78.76,99.28 80.62,99.28 ; 80.62,99.28 80.62,108.76 ; GND_VIA#1048.1 38.1,110.77 79.73,110.77 ; GND_VIA#1049.1 38.25,110.18 77.5,110.18 ; 61.23,138.18 57.1,138.18 GND_VIA#1347.1 56.85,138.18 55.23,138.18 ; 61.23,138.18 60.16,138.18 ; 55.07,138.18 52.19,141.06 v1(33.23,141.06) ; 78.11,110.18 77.5,110.18 ; 78.11,110.18 79.2,110.18 80.62,108.76 ; 77.5,110.18 77.5,117.08 74.59,119.99 74.59,124.61 69.71,129.49 ; 80.62,109.88 79.73,110.77 ; 80.62,109.88 79.73,110.77 ; 80.62,109.88 80.62,109.7 ; 80.62,108.76 80.62,109.7 ; 80.62,109.7 81.15,109.17 81.15,97.4 ; GND_VIA#1345.1 81.97,55.2 76.71,60.46 76.71,63.49 76.32,63.88 76.32,67.41 ; 77.38,68.43 75.33,70.48 71.34,70.48 ; 71.34,70.48 60.7,70.48 ; 71.34,70.48 74.07,70.48 76.32,68.23 ; 76.32,68.23 76.32,67.41 ; 76.32,67.41 73.49,70.24 61.2,70.24 ; 38.05,68.19 v1(38.05,68.19) ; 38.05,68.19 38.42,67.82 50.14,67.82 50.51,68.19 ; 38.05,68.19 45.94,68.19 ; 45.94,68.19 50.51,68.19 ; 45.94,68.19 45.94,68.15 45.98,68.19 46.03,68.19 46.77,68.94 58.51,68.94 ; 58.41,68.19 60.7,70.48 ; 58.41,68.19 59.15,68.19 59.89,68.94 ; 58.41,68.19 50.51,68.19 ; 60.7,70.48 61.62,71.4 62.36,71.4 ; 60.7,70.48 60.06,70.48 58.51,68.94 ; 76.32,70.52 73.05,70.52 ; 73.05,70.52 72.66,70.91 ; 72.66,70.91 72.17,71.4 62.36,71.4 ; 62.36,71.4 61.2,70.24 ; 61.2,70.24 59.89,68.94 ; 59.89,68.94 58.51,68.94 ; 81.15,97.4 79.96,98.59 76.34,98.59 ; 69.71,129.49 GND_VIA#642.1 69.71,134.73 GND_VIA#1397.1 ; 68.65,135.62 GND_VIA#1396.1 ; 68.65,135.62 68.65,136.8 67.86,137.58
  PWR w2: 76.1,100.56 73.94,102.71 71.18,102.71
  B w0.5: U110.1 130.02,60.4 v1(131.15,60.4) ; v1(116.56,67.52) 116.56,68.26 U112.1 115.68,68.27 115.28,68.67 115.28,69.74 115.71,70.17 U112.3
  B w0.79: 92.69,149.6 91.31,149.6 C75.1 C74.1 ; 92.69,149.6 93.12,150.03 GND_VIA#644.1 ; 92.69,149.6 93.08,149.21 GND_VIA#643.1
